# Altium PCB radxa_cm3i_io_board_v1.4.PcbDoc (part 5 of 9) (continued)
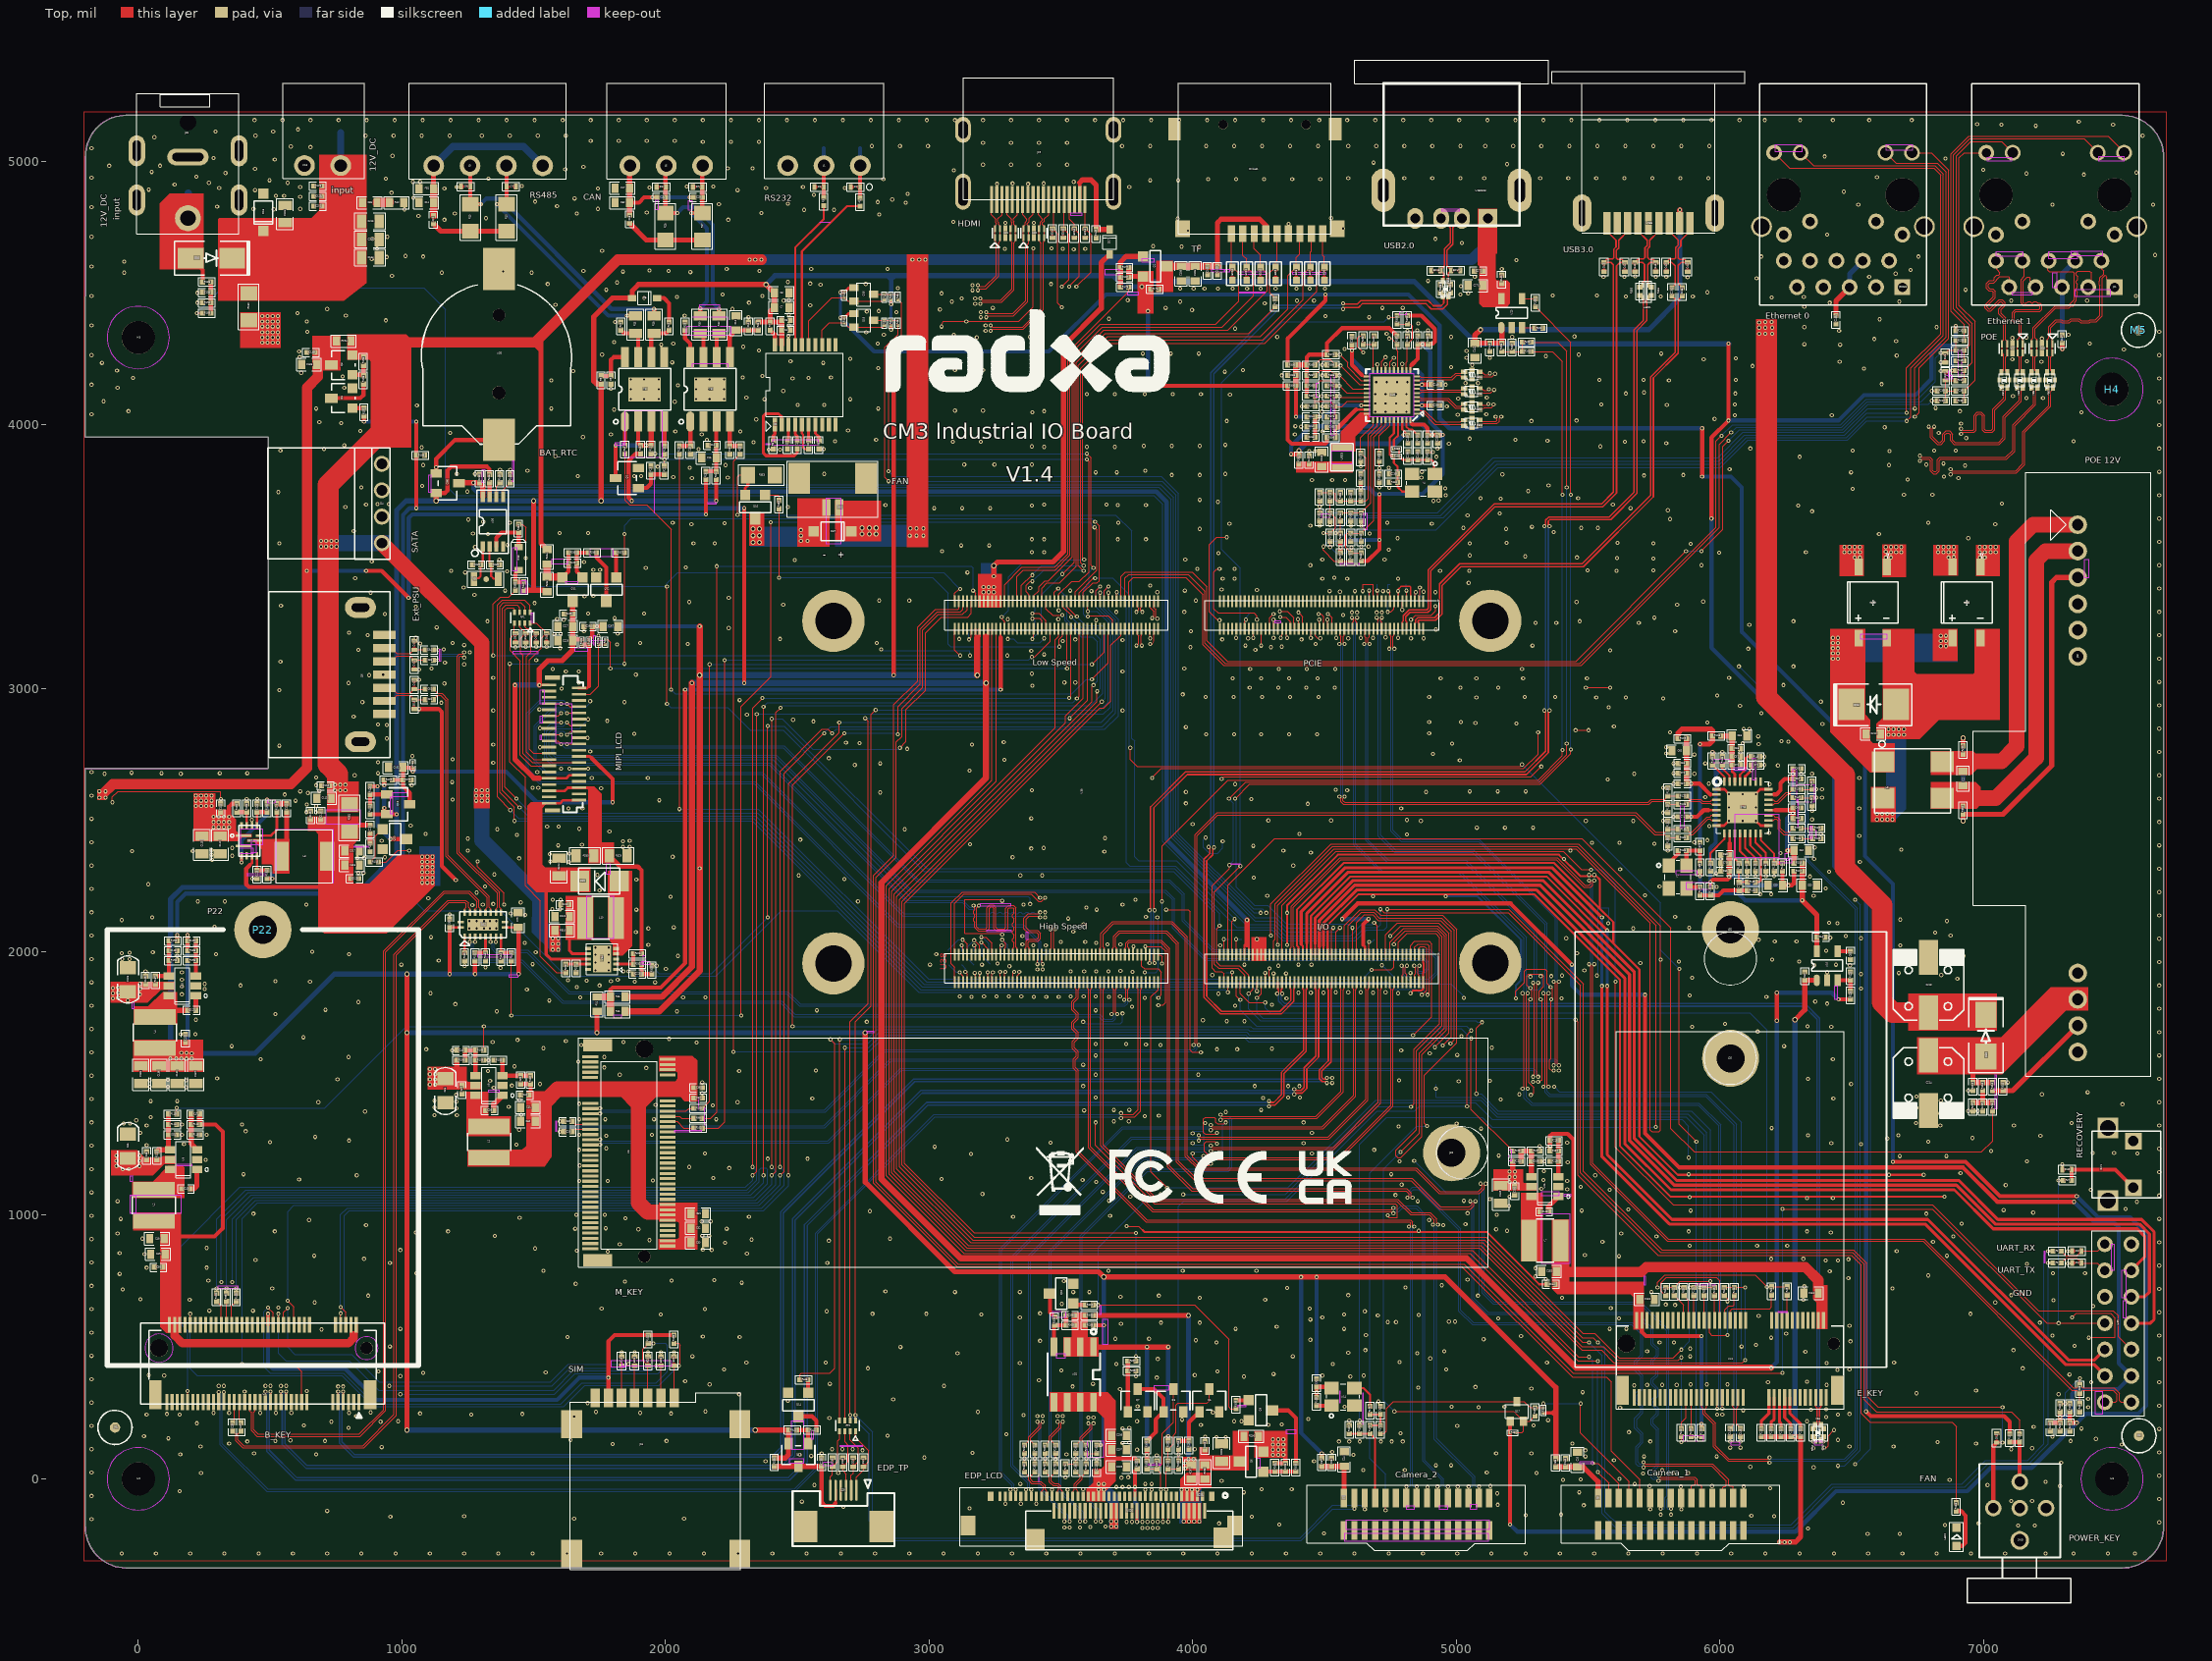
[diagram p0: Top view]
## Nets (pads, with @x,y where several pads share a name; then routed paths per layer and width w, separated by ;. In a path a pad name is that pad's centre, name@x,y a point inside that pad or via, vN(x,y) a via of type N, cw(c..) or ccw(c..) an arc to the next point about the centre after c; other vN are vias at no path point) (continued)
MIPI_CSI_RX_D3P: J4.10 U38.136 | length 3138.3
  Top w3.94: U38.136@3601.38,1884.65 3601.38,1860.24 3605.32,1856.3 3605.32,1255.91 3847.44,1013.78 4755.91,1013.78 v1(4761.81,1007.87) ; J4.10@4928.74,-72.83 4928.74,-29.92 v1(4929.13,-29.53)
  Bottom w3.94: v1(4761.81,1007.87) 4767.72,1013.78 4781.5,1013.78 4795.28,1027.56 4848.42,1027.56 4874.02,1001.97 4874.02,66.93 4944.88,-3.94 4944.88,-25.59 4940.94,-29.53 v1(4929.13,-29.53)
MIPI_DSI_TX0_CLKN/LVDS_TX0_CLKN: U38.169 U42.13 | length 2782.4
  Top w3.94: U42.13@1558.08,2870.87 1570.08,2870.87 1570.87,2870.08 v1(1604.33,2870.08) ; v1(3188.98,2175.2) 3181.1,2167.32 3181.1,2094.49 3188.98,2086.61 3215.24,2086.61 3220.47,2091.84 3220.47,2131.89 3220.47,2167.32 3230.99,2177.84 3243.42,2177.84 3253.94,2167.32 3253.94,2091.84 3259.17,2086.61 3286.11,2086.61 3291.34,2091.84 3291.34,2165.35 3301.18,2175.2 3320.87,2175.2 3329.72,2166.34 3329.72,2017.72 3333.66,2013.78 U38.169@3333.66,1988.58
  Bottom w3.94: v1(1604.33,2870.08) 1598.43,2864.17 1563.31,2864.17 1541.34,2842.2 1541.34,2734.25 1566.93,2708.66 2394.38,2708.66 2916.03,2187.01 3125.98,2187.01 3151.57,2161.42 3175.2,2161.42 v1(3188.98,2175.2)
MIPI_DSI_TX0_CLKP/LVDS_TX0_CLKP: U38.171 U42.14 | length 2781.5
  Top w3.94: v1(1625.98,2870.08) 1637.8,2858.27 1670.27,2858.27 U42.14@1671.26,2859.06 ; v1(3169.29,2175.2) 3173.23,2171.26 3173.23,2159.45 3169.29,2155.51 3169.29,2143.7 3173.23,2139.76 3173.23,2131.89 3169.29,2127.95 3169.29,2116.14 3173.23,2112.2 3173.23,2098.43 3173.23,2091.23 3185.71,2078.74 3192.91,2078.74 3218.5,2078.74 3228.35,2088.58 3228.35,2164.06 3234.25,2169.97 3240.16,2169.97 3246.06,2164.06 3246.06,2088.58 3255.91,2078.74 3289.37,2078.74 3299.21,2088.58 3299.21,2162.09 3304.44,2167.32 3317.6,2167.32 3321.85,2163.08 3321.85,2145.67 3316.93,2140.75 3316.93,2130.91 3321.85,2125.98 3321.85,2112.2 3316.93,2107.28 3316.93,2098.43 3321.85,2093.5 3321.85,2082.68 3316.93,2077.76 3316.93,2068.9 3321.85,2063.98 3321.85,2053.15 3316.93,2048.23 3316.93,2039.37 3321.85,2034.45 3321.85,2017.72 3317.91,2013.78 U38.171@3317.91,1988.58
  Bottom w3.94: v1(1625.98,2870.08) 1612.2,2856.3 1568.9,2856.3 1549.21,2836.61 1549.21,2738.19 1570.87,2716.54 2397.64,2716.54 2919.29,2194.88 3112.2,2194.88 3129.25,2194.88 3154.84,2169.29 3163.39,2169.29 v1(3169.29,2175.2)
MIPI_DSI_TX0_D0N/LVDS_TX0_D0N: U38.157 U42.7 | length 2783.2
  Top w3.94: U42.7@1558.08,2941.73 1557.09,2940.94 v1(1604.33,2940.94) ; U38.157@3428.15,1988.58 3428.15,1952.76 v1(3431.1,1952.76)
  Bottom w3.94: v1(1604.33,2940.94) 1598.43,2946.85 1527.56,2946.85 1480.32,2899.61 1480.32,2690.94 1525.59,2645.67 2340.55,2645.67 2883.86,2102.36 3358.27,2102.36 3425.2,2035.43 3425.2,2021.65 3425.2,2011.81 3431.1,2005.91 3446.85,2005.91 3450.79,2001.97 3450.79,1994.09 3446.85,1990.16 3431.1,1990.16 3425.2,1984.25 3425.2,1970.47 3425.2,1958.66 v1(3431.1,1952.76)
MIPI_DSI_TX0_D0P/LVDS_TX0_D0P: U38.159 U42.8 | length 2781.5
  Top w3.94: v1(1625.98,2940.94) 1637.8,2929.13 1643.7,2929.13 1644.49,2929.92 U42.8@1671.26,2929.92 ; v1(3411.42,1952.76) 3411.42,1953.74 3412.4,1956.69 U38.159@3412.4,1988.58
  Bottom w3.94: v1(1625.98,2940.94) 1612.2,2954.72 1523.62,2954.72 1472.44,2903.54 1472.44,2687.01 1521.65,2637.8 2337.29,2637.8 2880.6,2094.49 3355.01,2094.49 3417.32,2032.17 3417.32,1958.66 v1(3411.42,1952.76)
MIPI_DSI_TX0_D1N/LVDS_TX0_D1N: U38.163 U42.10 | length 2782
  Top w3.94: v1(1625.98,2905.51) 1626.77,2906.3 U42.10@1671.26,2906.3 ; U38.163@3380.91,1988.58 3380.91,2013.78 3376.97,2017.72 3376.97,2036.11 3380.23,2039.37 3413.39,2039.37 3423.23,2049.21 3423.23,2068.9 3411.42,2080.71 3377.95,2080.71 3368.11,2090.55 3368.11,2124.02 3379.92,2135.83 3415.35,2135.83 v1(3421.26,2129.92)
  Bottom w3.94: v1(1625.98,2905.51) 1612.2,2919.29 1562.99,2919.29 1501.97,2858.27 1501.97,2718.5 1547.24,2673.23 2364.85,2673.23 2902.25,2135.83 3415.35,2135.83 v1(3421.26,2129.92)
MIPI_DSI_TX0_D1P/LVDS_TX0_D1P: U38.165 U42.11 | length 2782.7
  Top w3.94: U42.11@1558.08,2894.49 1593.31,2894.49 v1(1604.33,2905.51) ; U38.165@3365.16,1988.58 3365.16,2013.78 3369.09,2017.72 3369.09,2039.37 3376.97,2047.24 3410.12,2047.24 3415.35,2052.47 3415.35,2065.64 3408.16,2072.83 3377.95,2072.83 3374.69,2072.83 3360.24,2087.29 3360.24,2127.28 3376.66,2143.7 3396.65,2143.7 3415.35,2143.7 v1(3421.26,2149.61)
  Bottom w3.94: v1(1604.33,2905.51) 1598.43,2911.42 1566.93,2911.42 1509.84,2854.33 1509.84,2722.44 1551.18,2681.1 2368.11,2681.1 2905.51,2143.7 3232.28,2143.7 3238.19,2149.61 3244.09,2149.61 3250,2143.7 3259.84,2143.7 3265.75,2149.61 3271.65,2149.61 3277.56,2143.7 3285.43,2143.7 3291.34,2149.61 3297.24,2149.61 3303.15,2143.7 3311.02,2143.7 3316.93,2149.61 3322.83,2149.61 3328.74,2143.7 3336.61,2143.7 3342.52,2149.61 3348.43,2149.61 3354.33,2143.7 3362.2,2143.7 3368.11,2149.61 3374.02,2149.61 3379.92,2143.7 3385.83,2143.7 3391.73,2149.61 3397.64,2149.61 3403.54,2143.7 3415.35,2143.7 v1(3421.26,2149.61)
MIPI_DSI_TX0_D2N/LVDS_TX0_D2N: J6.3 U42.16 | length 4045.5
  Top w3.94: v1(1625.98,2822.83) 1638.58,2835.43 U42.16@1671.26,2835.43 ; J6.3@4858.66,1884.65 4858.66,1911.42 4854.33,1915.75 4854.33,1940.94 v1(4860.24,1946.85)
  Bottom w3.94: v1(1625.98,2822.83) 1612.2,2836.61 1580.71,2836.61 1568.9,2824.8 1568.9,2751.97 1582.68,2738.19 2418,2738.19 2929.81,2226.38 3894.38,2226.38 3923.23,2197.53 3923.23,2090.55 4047.24,1966.54 4878.63,1966.54 4887.8,1957.37 4887.8,1938.3 4876.66,1927.17 4857.59,1927.17 4854.33,1930.43 4854.33,1940.94 v1(4860.24,1946.85)
MIPI_DSI_TX0_D2P/LVDS_TX0_D2P: J6.5 U42.17 | length 4028.6
  Top w3.94: U42.17@1558.08,2823.62 1603.54,2823.62 v1(1604.33,2822.83) ; v1(4840.55,1946.85) 4846.46,1940.94 4846.46,1916.93 4842.91,1913.39 J6.5@4842.91,1884.65
  Bottom w3.94: v1(1604.33,2822.83) 1598.43,2828.74 1584.65,2828.74 1576.77,2820.87 1576.77,2755.91 1586.61,2746.06 2421.26,2746.06 2933.07,2234.25 3897.64,2234.25 3931.1,2200.79 3931.1,2093.81 4050.51,1974.41 4881.89,1974.41 4895.67,1960.63 4895.67,1935.04 4879.92,1919.29 4854.33,1919.29 4846.46,1927.17 4846.46,1940.94 v1(4840.55,1946.85)
MIPI_DSI_TX0_D3N/LVDS_TX0_D3N: J6.9 U42.19 | length 4049.7
  Top w3.94: U42.19@1558.08,2800 1591.73,2800 v1(1604.33,2787.4) ; J6.9@4811.42,1884.65 4811.42,1914.96 4807.09,1919.29 4807.09,1940.94 v1(4812.99,1946.85)
  Bottom w3.94: v1(1604.33,2787.4) 1618.11,2773.62 2447.53,2773.62 2955.4,2265.75 3910.12,2265.75 3960.63,2215.24 3960.63,2116.14 4076.77,2000 4896.34,2000 4921.26,1975.08 4921.26,1920.58 4896.34,1895.67 4828.06,1895.67 4807.09,1916.65 4807.09,1940.94 v1(4812.99,1946.85)
MIPI_DSI_TX0_D3P/LVDS_TX0_D3P: J6.11 U42.20 | length 4057.7
  Top w3.94: v1(1625.98,2787.4) 1626.77,2788.19 U42.20@1671.26,2788.19 ; v1(4793.31,1946.85) 4799.21,1940.94 4799.21,1915.35 4795.67,1911.81 J6.11@4795.67,1884.65
  Bottom w3.94: v1(1625.98,2787.4) 1631.89,2781.5 2450.79,2781.5 2958.66,2273.62 3913.39,2273.62 3968.5,2218.5 3968.5,2119.4 4080.03,2007.87 4899.61,2007.87 4929.13,1978.35 4929.13,1917.32 4899.61,1887.8 4824.8,1887.8 4799.21,1913.39 4799.21,1940.94 v1(4793.31,1946.85)
MIPI_DSI_TX1_CLKN: P8.1 U38.187 | length 174.6
  Top w3.94: v1(3171.26,2043.31) 3191.93,2022.64 U38.187@3191.93,1988.58
  Bottom w3.94: P8.1@3169.29,1950.79 3147.64,1972.44 3147.64,2019.69 v1(3171.26,2043.31)
MIPI_DSI_TX1_CLKP: P9.1 U38.189 | length 60.7
  Top w3.94: v1(3171.26,2023.62) 3171.26,2022.64 3176.18,2017.72 U38.189@3176.18,1988.58
  Bottom w3.94: P9.1@3171.26,2000 v1(3171.26,2023.62)
MIPI_DSI_TX1_D0N: P4.1 U38.175 | length 137.5
  Top w3.94: v1(3277.56,2045.28) 3291.34,2031.5 3291.34,2016.73 3286.42,2011.81 U38.175@3286.42,1988.58
  Bottom w3.94: v1(3277.56,2045.28) 3297.24,2025.59 3297.24,2013.78 P4.1@3320.87,1990.16
MIPI_DSI_TX1_D0P: P5.1 U38.177 | length 74.7
  Top w3.94: U38.177@3270.67,1988.58 3270.67,2015.75 3270.37,2016.05 3270.37,2018.17 3275.59,2023.39 v1(3275.59,2023.62)
  Bottom w3.94: P5.1@3271.65,1990.16 3275.59,1990.16 v1(3275.59,2023.62)
MIPI_DSI_TX1_D1N: P6.1 U38.181 | length 164.5
  Top w3.94: v1(3198.82,2055.12) 3216.54,2055.12 3239.17,2032.48 U38.181@3239.17,1988.58
  Bottom w3.94: v1(3198.82,2055.12) 3202.76,2055.12 3226.56,2031.31 3226.56,1999.83 P6.1@3226.38,1998.03
MIPI_DSI_TX1_D1P: P7.1 U38.183 | length 150.7
  Top w3.94: v1(3198.82,2035.43) 3223.43,2010.83 U38.183@3223.43,1988.58
  Bottom w3.94: v1(3198.82,2035.43) 3200.3,2033.46 3200.3,1984.74 P7.1@3230.32,1954.72
MIPI_DSI_TX1_D2N: P11.1 U38.193 | length 135
  Top w3.94: v1(3127.95,2045.28) 3144.69,2028.54 U38.193@3144.69,1988.58
  Bottom w3.94: P11.1@3072.83,2005.91 3112.2,2045.28 v1(3127.95,2045.28)
MIPI_DSI_TX1_D2P: P13.1 U38.195 | length 60.7
  Top w3.94: v1(3124.02,2023.62) 3128.94,2018.7 U38.195@3128.94,1988.58
  Bottom w3.94: P13.1@3124.02,2000 v1(3124.02,2023.62)
MIPI_DSI_TX1_D3N: P10.1 U38.194 | length 77.9
  Top w3.94: v1(3137.8,1923.23) 3137.8,1922.24 3144.69,1915.35 U38.194@3144.69,1884.65
  Bottom w3.94: P10.1@3122.05,1950.79 3123.95,1950.79 3138.74,1935.99 3138.74,1923.3 v1(3137.8,1923.23)
MIPI_DSI_TX1_D3P: P12.1 U38.196 | length 95.5
  Top w3.94: v1(3116.14,1921.26) 3116.14,1920.28 3128.94,1907.48 U38.196@3128.94,1884.65
  Bottom w3.94: P12.1@3074.8,1950.79 3102.36,1923.23 3114.17,1923.23 v1(3116.14,1921.26)
MIPI_LCD_BL_1: J6.85 R331.1 | length 3644.2
  Top w3.94: R331.1@1948.82,1946.85 v1(1966.54,1946.85) ; v1(2387.8,2129.92) v1(2387.8,2856.3) ; v1(4102.36,2098.43) 4090.55,2086.61 4090.55,1960.63 4104.33,1946.85 4177.17,1946.85 4212.99,1911.02 J6.85@4212.99,1884.65
  Bottom w3.94: v1(1966.54,1946.85) 1966.54,1927.17 1976.38,1917.32 2175.2,1917.32 v1(2387.8,2129.92) ; v1(2387.8,2856.3) 2450.79,2856.3 2992.13,2314.96 3931.1,2314.96 4102.36,2143.7 v1(4102.36,2098.43)
MIPI_LCD_BL_2: J6.91 R290.1 R294.1 | length 3550.1
  Top w3.94: R290.1@3946.85,68.9 v1(3946.85,92.52) R294.1@3946.85,112.2 ; J6.91@4165.75,1884.65 4165.75,1832.28 v1(4181.1,1816.93) ; v1(5041.34,1413.39) 5041.34,1685.04 v1(5057.09,1700.79)
  Bottom w3.94: v1(3946.85,92.52) 3946.85,1033.46 3966.54,1053.15 4358.27,1053.15 4700.79,1395.67 4842.52,1395.67 4860.24,1413.39 v1(5041.34,1413.39) ; v1(4181.1,1816.93) 4181.1,1779.53 4242.13,1718.5 5039.37,1718.5 v1(5057.09,1700.79)
MIPI_LCD_EN_2: J6.14 R308.1 R310.1 | length 3392.9
  Top w3.94: R310.1@3624.02,659.45 v1(3641.73,659.45) 4007.87,659.45 4137.8,529.53 4137.8,271.65 4143.7,265.75 R308.1@4165.35,265.75 ; J6.14@4779.92,1988.58 4779.92,2035.43 4813.39,2068.9 4921.26,2068.9 4937.01,2053.15 4937.01,1726.38 4840.55,1629.92 4840.55,1423.23 v1(4828.74,1411.42)
  Bottom w3.94: v1(3641.73,659.45) 3641.73,877.95 3826.77,1062.99 4352.36,1062.99 4700.79,1411.42 v1(4828.74,1411.42)
MIPI_TP_PWR: R418.2 U38.109 | length 3745.2
  Top w3.94: R418.2@911.42,2340.55 940.94,2340.55 984.25,2383.86 v1(1027.56,2383.86) ; U38.109@3806.1,1988.58 3806.1,1945.87 3816.93,1935.04 3870.08,1935.04 3881.89,1923.23 3881.89,1836.61 v1(3870.08,1824.8)
  Bottom w3.94: v1(1027.56,2383.86) 1027.56,2212.6 1084.65,2155.51 1374.02,2155.51 1622.05,1907.48 2190.94,1907.48 2438.98,2155.51 2651.57,2155.51 2960.63,1846.46 3848.43,1846.46 v1(3870.08,1824.8)
N21502: Q10.3 R304.2 | length 95.6
  Top w15.75: Q10.3@3459.41,702.76 3459.41,631.14 R304.2@3476.38,614.17
N21534: C205.2 R300.2 R304.1 U31.4 | length 163.6
  Top w15.75: U31.4@3474.21,500.67 3474.21,580.51 R304.1@3476.38,582.68 R300.2@3519.69,582.68 C205.2@3519.69,620.08
N21566: Q10.1 R310.2 | length 46.3
  Top w15.75: Q10.1@3548.47,664.76 3553.77,659.45 R310.2@3592.52,659.45
N22164: Q7.1 R307.2 R309.2 | length 192.9
  Top w15.75: Q7.1@3753.94,253.93 R309.2@3753.94,409.45 R307.2@3753.94,446.85
N22296: Q7.3 Q8.1 R306.1 | length 300.6
  Top w15.75: Q7.3@3791.34,340.55 3854.33,340.55 3889.77,305.12 Q8.1@3889.77,253.93 3860.24,224.4 3860.24,177.17 R306.1@3826.77,143.7
N22422: Q5.1 R294.2 R295.2 | length 165.9
  Top w15.75: R294.2@3946.85,143.7 R295.2@3986.22,143.7 3986.22,214.56 Q5.1@4025.59,253.93
N22584: Q5.3 R291.1 R293.2 | length 400.6
  Top w3.94: R293.2@3907.48,68.9 R291.1@3907.48,112.2 3927.17,131.89 3927.17,165.35 3937.01,175.2 3937.01,279.53 3944.88,287.4 4055.12,287.4 4062.99,295.28 Q5.3@4062.99,340.55
N16998902: LCD1.9 R283.1 | length 142.8
  Top w3.94: R283.1@3362.2,25.59 3377.95,9.84 3377.95,-5.91 3389.76,-17.72 3421.26,-17.72 3433.07,-29.53 3433.07,-41.34 3427.17,-47.24 LCD1.9@3427.17,-66.93
N16998982: LCD1.10 R286.1 | length 142.8
  Top w3.94: R286.1@3401.57,25.59 3385.83,9.84 3385.83,-1.97 3393.7,-9.84 3425.2,-9.84 3440.94,-25.59 3440.94,-41.34 3446.85,-47.24 LCD1.10@3446.85,-66.93
N16999116: LCD1.13 R279.1 | length 125.4
  Top w3.94: R279.1@3480.32,25.59 3464.57,9.84 3464.57,-7.87 3474.41,-17.72 3490.16,-17.72 3500,-27.56 3500,-41.34 3505.91,-47.24 LCD1.13@3505.91,-66.93
N16999117: LCD1.15 R288.1 | length 110.5
  Top w3.94: LCD1.15@3545.28,-66.93 3545.28,-47.24 3551.18,-41.34 3551.18,-19.69 3572.83,1.97 3572.83,9.84 R288.1@3557.09,25.59
N16999118: LCD1.16 R289.1 | length 110.5
  Top w3.94: LCD1.16@3564.96,-66.93 3564.96,-47.24 3559.06,-41.34 3559.06,-23.62 3580.71,-1.97 3580.71,9.84 R289.1@3596.46,25.59
N16999119: LCD1.12 R278.1 | length 125.4
  Top w3.94: R278.1@3440.94,25.59 3456.69,9.84 3456.69,-11.81 3470.47,-25.59 3486.22,-25.59 3492.13,-31.5 3492.13,-41.34 3486.22,-47.24 LCD1.12@3486.22,-66.93
N17091610: LCD2.3 R280.1 | length 578.5
  Top w3.94: R280.1@3362.2,127.95 3377.95,143.7 3377.95,159.45 3417.32,198.82 3417.32,210.63 v1(3411.42,216.54) ; v1(3513.78,-161.42) LCD2.3@3513.78,-122.05
  Bottom w3.94: v1(3411.42,216.54) 3417.32,210.63 3417.32,-41.34 3519.69,-143.7 3519.69,-155.51 v1(3513.78,-161.42)
N17091611: LCD2.4 R277.1 | length 578.5
  Top w3.94: R277.1@3401.57,127.95 3385.83,143.7 3385.83,155.51 3425.2,194.88 3425.2,210.63 v1(3431.1,216.54) ; v1(3533.46,-161.42) LCD2.4@3533.46,-122.05
  Bottom w3.94: v1(3431.1,216.54) 3425.2,210.63 3425.2,-37.4 3527.56,-139.76 3527.56,-155.51 v1(3533.46,-161.42)
N17091612: LCD2.6 R281.1 | length 570.3
  Top w3.94: R281.1@3440.94,127.95 3456.69,143.7 3456.69,161.42 3494.09,198.82 3494.09,210.63 v1(3488.19,216.54) ; v1(3572.83,-161.42) LCD2.6@3572.83,-122.05
  Bottom w3.94: v1(3488.19,216.54) 3494.09,210.63 3494.09,-47.24 3578.74,-131.89 3578.74,-155.51 v1(3572.83,-161.42)
N17091613: LCD2.7 R282.1 | length 570.3
  Top w3.94: R282.1@3480.32,127.95 3464.57,143.7 3464.57,157.48 3501.97,194.88 3501.97,210.63 v1(3507.87,216.54) ; v1(3592.52,-161.42) LCD2.7@3592.52,-122.05
  Bottom w3.94: v1(3507.87,216.54) 3501.97,210.63 3501.97,-43.31 3586.61,-127.95 3586.61,-155.51 v1(3592.52,-161.42)
N17091614: LCD2.9 R285.1 | length 534.9
  Top w3.94: R285.1@3557.09,127.95 3572.83,143.7 3572.83,157.48 3610.24,194.88 3610.24,204.72 v1(3604.33,210.63) ; v1(3631.89,-161.42) LCD2.9@3631.89,-122.05
  Bottom w3.94: v1(3604.33,210.63) 3610.24,204.72 3610.24,-94.49 3637.8,-122.05 3637.8,-155.51 v1(3631.89,-161.42)
N17091615: LCD2.10 R287.1 | length 534.9
  Top w3.94: R287.1@3596.46,127.95 3580.71,143.7 3580.71,153.54 3618.11,190.94 3618.11,204.72 v1(3624.02,210.63) ; v1(3651.57,-161.42) LCD2.10@3651.57,-122.05
  Bottom w3.94: v1(3624.02,210.63) 3618.11,204.72 3618.11,-90.55 3645.67,-118.11 3645.67,-155.51 v1(3651.57,-161.42)
N17200572: C55.1 U10.4 | length 49.2
  Top w15.75: U10.4@6446.85,2001.97 C55.1@6496.06,2001.97
N17201737: R120.2 R121.1 U10.3 | length 90.6
  Top w15.75: U10.3@6446.85,1891.73 R121.1@6496.06,1891.73 R120.2@6496.06,1850.39
N17403229: R15.1 R21.1 U2.7 | length 154.8
  Top w15.75: R21.1@1830.71,4358.27 1842.52,4346.46 R15.1@1885.83,4346.46 1896.06,4336.22 U2.7@1896.06,4255.91
N17403407: R14.2 U2.1 | length 90.7
  Top w15.75: U2.1@1846.06,4011.81 1846.46,4011.41 R14.2@1846.46,3921.26
N17403409: R20.2 U2.4 | length 92.5
  Top w15.75: R20.2@1996.06,3919.29 U2.4@1996.06,4011.81
N17403411: Q1.3 R11.2 R17.2 U2.2 U2.3 | length 465
  Top w15.75: Q1.3@1811.02,3797.24 v1(1811.02,3921.26) ; U2.2@1896.06,4011.81 1896.06,3930.71 R11.2@1905.51,3921.26 v1(1927.17,3921.26) R17.2@1944.88,3921.26
  Top w19.68: R17.2@1944.88,3921.26 1946.06,3922.44 U2.3@1946.06,4011.81
  Bottom w15.75: v1(1811.02,3921.26) v1(1927.17,3921.26)
N17403441: R12.2 R18.1 U2.6 | length 157.4
  Top w15.75: U2.6@1946.06,4255.91 1946.06,4336.61 1946.85,4336.61 R18.1@1956.69,4346.46 2001.97,4346.46 R12.2@2013.78,4358.27
N17403749: C10.2 C11.1 FB1.1 J3.1 J3.4 | length 663
  Top w19.68: FB1.1@1120.08,4895.67 1120.08,4981.5 J3.4@1120.87,4982.28
  Top w27.56: C10.2@1120.08,4793.31 C11.1@1120.08,4842.52 FB1.1@1120.08,4895.67
  Bottom w27.56: J3.4@1120.87,4982.28 1193.7,5055.12 1461.42,5055.12 J3.1@1534.25,4982.28
N17406501: Q1.1 R22.2 R23.1 | length 140.4
  Top w15.75: Q1.1@1897.64,3759.84 1929.14,3759.84 1944.88,3775.59 R23.1@1944.88,3811.02 R22.2@1996.06,3811.02
N17407289: C10.1 R10.2 R13.2 | length 289
  Top w19.68: C10.1@1120.08,4761.81 1147.64,4734.25 R13.2@1259.84,4734.25 R10.2@1397.64,4734.25
N17408575: C16.1 R27.2 R28.2 | length 303.7
  Top w3.94: R28.2@1998.03,4700.79 R28.2@2000,4700.79
  Top w19.68: C16.1@1864.17,4763.78 1927.17,4700.79 1998.03,4700.79 R27.2@2139.76,4700.79
N17526107: D5.2 R12.1 | length 124.3
  Top w15.75: D5.2@1968.5,4480.31 1994.09,4480.31 2013.78,4460.63 R12.1@2013.78,4389.76
N17840608: D15.1 J35.1 P20.1 R186.2 | length 204.3
  Top w15.75: D15.1@198.82,4631.89 244.09,4586.61 R186.2@244.09,4541.34
  Bottom w27.56: J35.1@188.19,4783.27 188.98,4784.06 P20.1@188.98,4877.95
N17841639: R348.2 U36.6 | length 58.8
  Top w3.94: U36.6@1358.38,3726.39 1358.38,3765.86 R348.2@1372.05,3779.53
N17841777: D38.1 R347.2 R350.2 | length 81.1
  Top w15.75: D38.1@1442.91,3448.23 1431.1,3436.42 R350.2@1431.1,3403.54 R347.2@1462.6,3403.54
N17841779: R349.2 U36.5 | length 64.5
  Top w3.94: U36.5@1383.97,3726.39 1383.97,3752.08 R349.2@1411.42,3779.53
N17841795: C232.1 U36.2 Y3.2 | length 148.2
  Top w7.87: U36.2@1332.79,3537.41 1332.79,3474.3 C232.1@1338.58,3468.5 1338.58,3425.2 1348.43,3415.35 1366.14,3415.35 Y3.2@1366.14,3413.39
N17841829: C231.1 U36.1 Y3.1 | length 148.3
  Top w7.87: Y3.1@1273.62,3413.39 1273.62,3417.32 1291.34,3417.32 1299.21,3425.2 C231.1@1299.21,3468.5 1299.21,3472.33 1307.2,3480.31 U36.1@1307.2,3537.41
N17841853: D38.2 R351.2 U36.3 | length 180.7
  Top w15.75: U36.3@1358.38,3537.41 1358.38,3570.87 1378.06,3590.55 R351.2@1442.91,3590.55 D38.2@1442.91,3536.02
N17846666: R371.1 R373.1 U41.31 | length 240.6
  Top w3.94: R371.1@4637.8,3812.99 4657.48,3832.68 4657.48,3864.17 4657.48,3872.05 R373.1@4637.8,3891.73 4637.8,3950.79 4685.04,3998.03 U41.31@4685.04,4017.72
N17860878: R202.1 U23.3 | length 55.6
  Top w3.94: U23.3@5250,4368.11 5301.18,4368.11 R202.1@5297.24,4366.14
N17866405: C134.1 R186.1 R189.2 R192.2 | length 122
  Top w3.94: R192.2@275.59,4462.6 R192.2@275.59,4464.57 ; C134.1@275.59,4500 C134.1@275.59,4501.97
  Top w15.75: R189.2@275.59,4423.23 275.59,4464.57 275.59,4500 R186.1@275.59,4541.34
N17867136: C133.1 R187.2 R190.2 R191.1 U20.4 | length 185
  Top w15.75: R187.2@64.96,1907.48 U20.4@116.14,1907.48 R191.1@116.14,1966.54 C133.1@116.14,2003.94 R190.2@116.14,2041.34
N17867309: Q3.1 R195.1 R196.1 | length 84.9
  Top w15.75: Q3.1@812.62,4188.88 854.33,4188.88 R196.1@854.33,4185.04 R195.1@854.33,4224.41
N17867352: Q4.1 R197.1 | length 43.7
  Top w15.75: Q4.1@812.62,4062.89 856.2,4062.89 R197.1@856.3,4062.99
N17867429: Q4.3 R196.2 | length 167.9
  Top w15.75: Q4.3@732.62,4100.39 842.52,4100.39 854.33,4112.2 R196.2@854.33,4153.54
N17923199: C226.1 Q11.2 R333.2 R334.2 R335.1 | length 210.5
  Top w15.75: Q11.2@1609.64,3420.51 1631.89,3442.77 C226.1@1631.89,3474.41 R335.1@1631.89,3513.78
  Top w27.56: R334.2@1551.18,3470.47 R333.2@1551.18,3421.26 1608.89,3421.26 Q11.2@1609.64,3420.51
N17923325: C226.2 Q11.1 R335.2 R336.1 | length 145.8
  Top w3.94: C226.2@1663.39,3472.44 C226.2@1663.39,3474.41
  Top w15.75: C226.2@1663.39,3472.44 1663.39,3442.77 Q11.1@1685.64,3420.51 ; C226.2@1663.39,3474.41 R335.2@1663.39,3513.78 R336.1@1706.69,3513.78
N17923337: Q12.3 R336.2 | length 197.8
  Top w15.75: R336.2@1738.19,3513.78 1738.19,3496.06 1775.59,3458.66 Q12.3@1775.59,3331.45
N17923349: Q12.1 R337.2 | length 93.5
  Top w15.75: R337.2@1812.99,3513.78 1812.99,3421.11 Q12.1@1813.59,3420.51
N17923771: C222.1 C223.1 FB10.2 L10.1 U34.7 | length 152.5
  Top w11.81: FB10.2@1635.83,2080.71 1635.83,2003.94 1647.64,1992.13 U34.7@1706.69,1992.13
N17923777: D31.1 L10.2 U34.4 U34.5
N17923779: R326.1 R332.2 U34.2 | length 104.7
  Top w11.81: U34.2@1812.6,1952.76 R332.2@1877.95,1952.76
  Top w15.75: R332.2@1877.95,1952.76 R326.1@1877.95,1992.13
N17923781: C225.2 R331.2 R332.1 | length 76.8
  Top w3.94: C225.2@1909.45,1915.35 C225.2@1909.45,1916.32
  Top w15.75: C225.2@1909.45,1915.35 R331.2@1948.82,1915.35 ; C225.2@1909.45,1916.32 R332.1@1909.45,1952.76
N17923789: R327.2 R328.2 U34.9 | length 84.6
  Top w11.81: R328.2@1622.05,1952.76 R327.2@1661.42,1952.76 U34.9@1706.69,1952.76
N17943889: R171.1 U14.3 | length 113
  Top w7.87: U14.3@4614.18,344.48 4647.64,344.48 4673.23,318.9 R171.1@4673.23,275.59
N17943950: R169.1 U14.1 | length 57.1
  Top w15.75: R169.1@4470.47,277.56 U14.1@4527.56,277.56
N17977866: R151.2 U12.1 | length 61.6
  Top w9.84: R151.2@1238.19,1996.06 1238.58,1996.46 U12.1@1238.58,2057.48
N17978284: C81.2 D13.2 J16.2 | length 170.8
  Top w3.94: J16.2@933.46,2951.57 938.58,2951.57 938.98,2951.18 960.24,2951.18 981.69,2972.64 1031.3,2972.64 D13.2@1047.24,2956.69 C81.2@1088.58,2956.69
N17978286: C82.2 D12.2 J16.3 | length 171
  Top w3.94: J16.3@933.46,3001.57 933.46,3000.39 961.81,3000.39 981.69,2980.51 1031.69,2980.51 D12.2@1047.24,2996.06 C82.2@1088.58,2996.06
N17978288: C83.2 D11.2 J16.5 | length 172.3
  Top w3.94: J16.5@933.46,3101.57 933.46,3100.39 959.45,3100.39 981.69,3122.64 1030.91,3122.64 D11.2@1047.24,3106.3 C83.2@1088.58,3106.3
N17978290: C84.2 D10.2 J16.6 | length 170.1
  Top w3.94: J16.6@933.46,3151.57 935.83,3151.57 937.01,3150.39 961.81,3150.39 981.69,3130.51 1032.09,3130.51 D10.2@1047.24,3145.67 C84.2@1088.58,3145.67
N17978408: LED2.1 R156.2 | length 185.5
  Top w15.75: R156.2@6897.64,-122.05 6915.35,-122.05 6933.07,-139.76 6933.07,-242.46 6921.26,-254.27 LED2.1@6897.98,-254.27
N18034361: R152.2 R153.2 U12.5 | length 101
  Top w9.84: R153.2@1316.93,1996.06 1317.32,1996.46 U12.5@1317.32,2057.48
  Top w15.75: R152.2@1277.56,1996.06 R153.2@1316.93,1996.06
N18083666: C246.1 C247.1 L6803.2 R394.1
N18181200: C1.2 U1.2 | length 399
  Top w11.81: U1.2@2440.94,4000 2440.94,4029.53 2429.13,4041.34 2379.92,4041.34 2372.05,4033.46 2372.05,3891.73 2381.89,3881.89 2488.19,3881.89 2500,3893.7 C1.2@2500,3907.48
N18181202: C1.1 U1.4 | length 64.3
  Top w11.81: U1.4@2492.13,4000 2492.13,3964.57 2500,3956.69 C1.1@2500,3938.98
N18181208: C2.2 U1.5 | length 112.3
  Top w7.87: U1.5@2517.72,4000 2517.72,3966.54 2521.65,3962.6 2521.65,3913.39 2527.56,3907.48 C2.2@2543.31,3907.48
N18181210: C2.1 U1.6 | length 61
  Top w11.81: C2.1@2543.31,3938.98 U1.6@2543.31,4000
N18181216: C6.2 U1.7 | length 66.7
  Top w11.81: U1.7@2568.9,4000 2568.9,3966.54 2582.68,3952.76 C6.2@2582.68,3938.98
N18181218: C5.2 U1.3 | length 62.7
  Top w11.81: C5.2@2462.6,3938.98 2466.54,3942.91 U1.3@2466.54,4000
N18181254: R7.2 U1.20 | length 62.5
  Top w15.75: R7.2@2397.64,4358.27 2415.35,4340.55 U1.20@2415.35,4303.15
N18181258: R8.1 U1.1 | length 63.5
  Top w11.81: R8.1@2409.45,3938.98 2409.45,3958.66 2415.35,3964.57 U1.1@2415.35,4000
N18181499: D2.2 J1.1 P1.1 R1.1 | length 192.3
  Top w3.94: D2.2@2738.19,4900.93 D2.2@2738.19,4901.57 ; J1.1@2738.19,4982.28 2738.58,4982.68 J1.1@2739.37,4982.68
  Top w15.75: R1.1@2738.19,4860.24 2738.19,4900.93 J1.1@2738.19,4982.28
  Bottom w3.94: J1.1@2738.19,4982.28 2738.58,4982.68 J1.1@2739.37,4982.68
  Bottom w15.75: J1.1@2738.19,4982.28 P1.1@2738.19,5049.21
N18181513: D1.2 J1.2 P2.1 R3.1 | length 191.7
  Top w3.94: D1.2@2600.39,4901.57 D1.2@2600.39,4903.54 ; J1.2@2600.39,4982.28 2600.79,4982.68 J1.2@2601.57,4982.68
  Top w15.75: R3.1@2600.39,4862.2 2600.39,4903.54 J1.2@2600.39,4982.28
  Bottom w3.94: J1.2@2600.39,4982.28 2600.79,4982.68 J1.2@2601.57,4982.68
  Bottom w15.75: J1.2@2600.39,4982.28 P2.1@2600.39,5049.21
N18181840: Q16.2 R4.1 R43.2 U1.15 | length 422.8
  Top w3.94: U1.15@2543.31,4303.15 2543.31,4393.7 2631.89,4482.28 R43.2@2679.13,4482.28 2692.91,4468.5 Q16.2@2714.57,4468.5 2824.8,4468.5 R4.1@2830.71,4474.41
N18181852: Q18.2 R2.1 R46.2 U1.13 | length 311.7
  Top w3.94: U1.13@2594.49,4303.15 2594.49,4358.27 2622.05,4385.83 R46.2@2679.13,4385.83 2694.88,4370.08 Q18.2@2714.57,4370.08 2824.8,4370.08 R2.1@2830.71,4375.98
N18204928: R145.1 U11.31 | length 74.4
  Top w7.87: R145.1@6009.84,2708.66 6009.84,2694.88 6037.4,2667.32 U11.31@6037.4,2645.67
N18205688: R131.1 U11.6 | length 146
  Top w3.94: R131.1@5874.02,2464.57 5885.83,2452.76 5893.48,2452.76 5952.54,2511.81 5962.6,2511.81 5968.5,2517.72 U11.6@5988.19,2517.72
N18223594: C44.1 R106.2 R108.2 R109.1 U8.4 | length 173.2
  Top w15.75: R106.2@1240.16,1588.58 C44.1@1240.16,1625.98 R108.2@1279.53,1625.98 R109.1@1279.53,1588.58 U8.4@1279.53,1529.53
N18226043: R203.1 R204.1 R206.1 R207.1 | length 114.2
  Top w3.94: R206.1@5173.23,4277.56 R207.1@5212.6,4277.56 R204.1@5251.97,4277.56 R203.1@5251.97,4312.99
N18226708: R200.1 U23.4 | length 51.2
  Top w3.94: U23.4@5250,4478.35 R200.1@5301.18,4478.35
N18228599: FB4.3 R210.2 U24.5 | length 131.2
  Top w3.94: R210.2@6354.33,190.94 6362.2,198.82 FB4.3@6362.2,204.72
  Top w5.91: R210.2@6362.2,198.82 6369.09,205.71 6369.09,268.7 6364.17,273.62 U24.5@6364.17,308.07
N18228600: FB4.2 R209.2 U24.3 | length 129.2
  Top w3.94: FB4.2@6382.87,201.77 FB4.2@6383.86,200.79 ; FB4.2@6383.86,204.72 FB4.2@6383.86,200.79 ; R209.2@6393.7,190.94 FB4.2@6383.86,200.79
  Top w5.91: FB4.2@6382.87,201.77 6378.94,205.71 6378.94,268.7 6383.86,273.62 U24.3@6383.86,308.07
N18229230: C156.1 R224.2 R226.2 R227.1 U25.4 | length 177.2
  Top w19.68: R224.2@5246.06,1204.72 R226.2@5246.06,1244.09 R227.1@5285.43,1244.09 C156.1@5285.43,1204.72 U25.4@5285.43,1145.67
N18229258: C148.2 L7.1 U25.6
N18229260: C148.1 U25.1 | length 72.6
  Top w19.68: C148.1@5350.39,1013.78 5350.39,1033.46 U25.1@5387.8,1070.87
N18229276: C151.2 R225.2 R228.1 U25.3 | length 137.8
  Top w15.75: U25.3@5387.8,1145.67 R228.1@5387.8,1204.72 C151.2@5387.8,1244.09 R225.2@5387.8,1283.46
N18236122: C203.2 Q6.1 R301.2 R305.1 | length 125
  Top w3.94: C203.2@4350.39,27.56 C203.2@4352.36,27.56
  Top w15.75: Q6.1@4268.94,26.96 4269.54,27.56 R301.2@4312.99,27.56 4350.39,27.56 R305.1@4391.73,27.56
N18236140: Q9.3 R305.2 | length 272.8
  Top w15.75: Q9.3@4302.4,259.84 4362.2,259.84 4391.73,230.31 R305.2@4391.73,59.06